# Altium PCB HandHeld_Terminal_V2_Rev2.PcbDoc (continued)
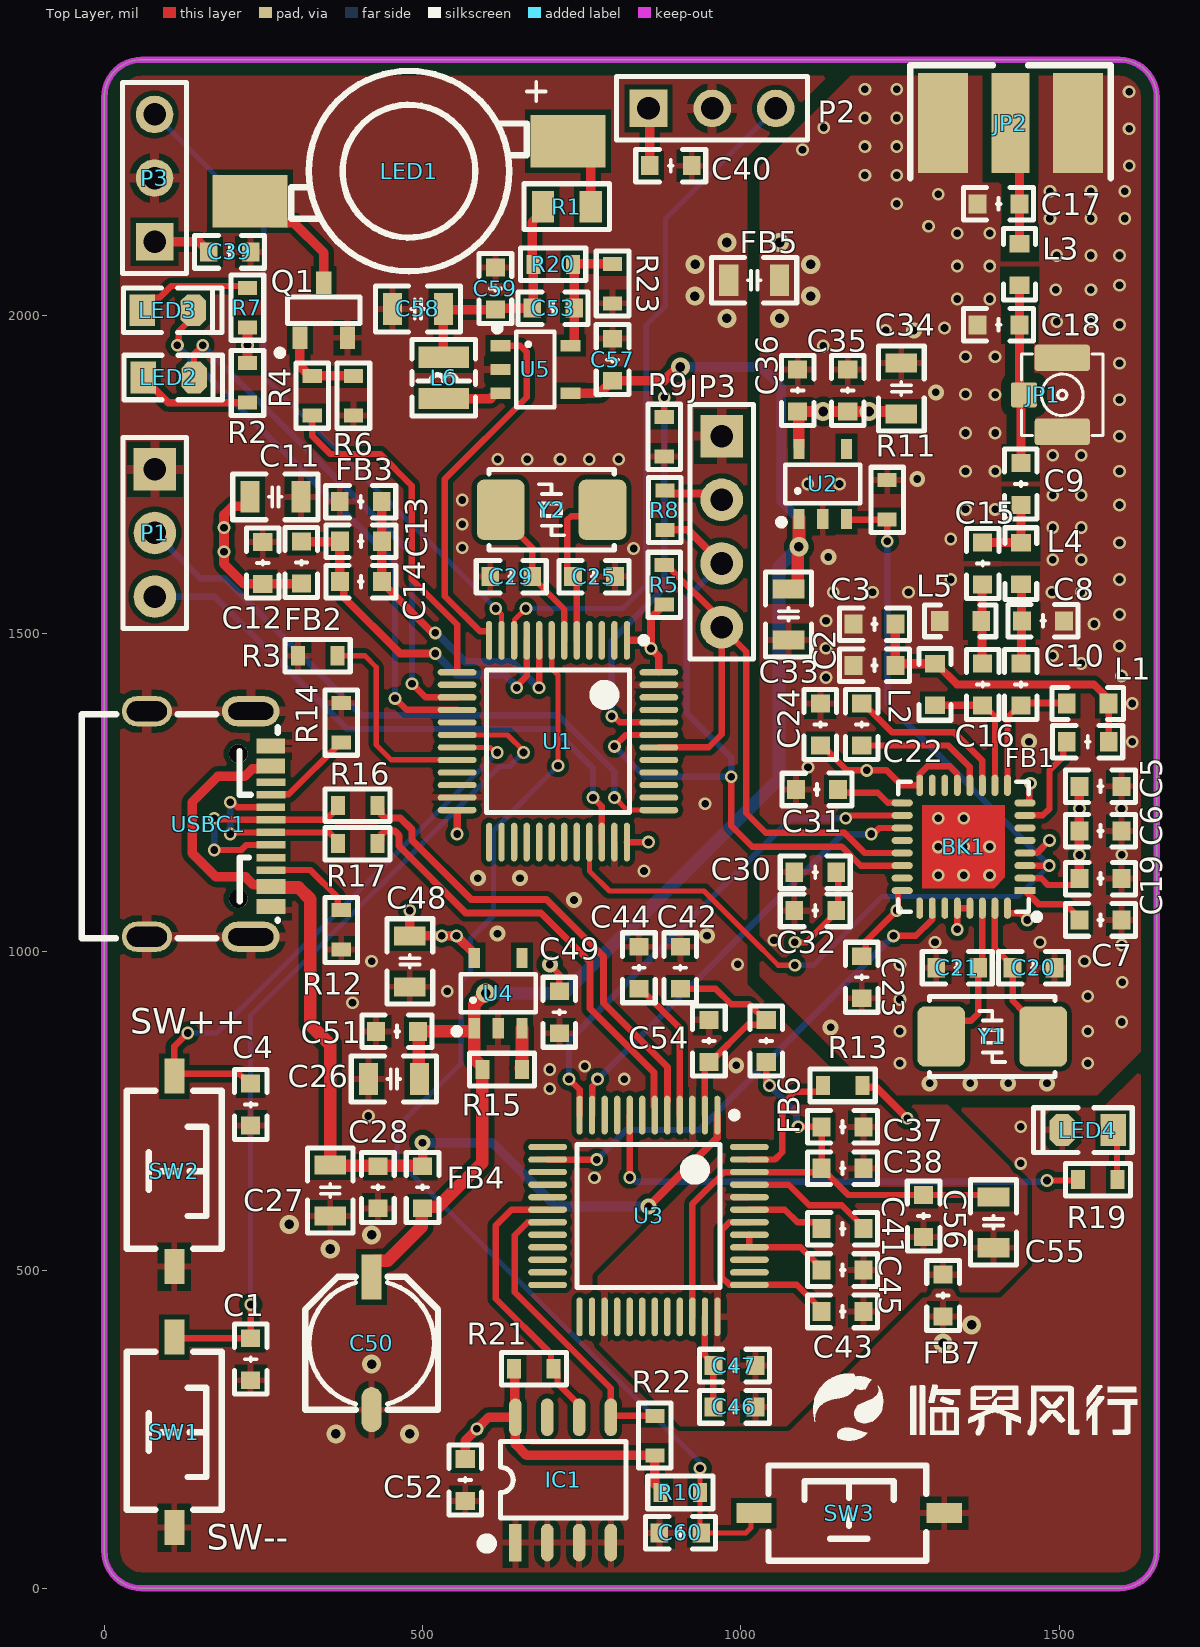
[diagram p0: Top Layer view]
## Footprints (in the part's own frame and the unit in brackets; to place one, negate y for a bottom-side part, rotate by r counter-clockwise, add the part's x,y. Pads: shape width x height; smd on the part's side, far side on the other; paste and mask are expansions set on the pad) (continued)
  oval 0.85x0.275 smd: 9(2.451,-1.75) 10(2.451,-1.25) 11(2.451,-0.75) 12(2.451,-0.25) 13(2.451,0.25) 14(2.451,0.75) 15(2.451,1.25) 16(2.451,1.75) 25(-2.451,1.75) 26(-2.451,1.25) 27(-2.451,0.75) 28(-2.451,0.25) 29(-2.451,-0.25) 30(-2.451,-0.75) 31(-2.451,-1.25) 32(-2.451,-1.75)
  round 0.025 smd: 33(0,0)
  Top Layer region: -1.22,-1.65 -1.651,-1.219 -1.651,1.65 1.65,1.65 1.65,-1.65
  silkscreen extent -2.92,-3.05 2.6,2.6, body extent -2.5,-2.5 2.5,2.5, height 0.93
"R 0603_L" [mil] "1/10W贴片电阻                 淘宝ID:黄晶宝石"
  rect 22x30 smd: 1(-31,0) 2(31,0)
  silkscreen extent -51,-26 51,26, body extent -31,-16 32,16, height 16
"R 0805_L" [mil] "1/8W贴片电阻"
  rect 35x50 smd: 1(-37.4,0) 2(37.4,0)
  silkscreen extent -67,-36 67,36, body extent -39,-25 39,25, height 20
SMA-KE [mm] "SMA 偏脚射频天线座     淘宝ID:黄晶宝石"
  rect 1.5x4 smd: 1(0,0)
  rect 2x4 smd: 2(-2.7,0) 2(2.7,0)
  rect 2x4 smd far side: 3(-2.7,0) 3(2.7,0)
  silkscreen extent -4,-2.2 4,2.3, body extent -3.25,-1.3 3.25,12.2, height 3.88
SOP8_L [mm] "5*6*1.8mm（长宽高）封装库来自淘宝卖家 ID：黄晶宝石"
  rect 1.5x0.5 smd: 1(-2.5,1.905)
  oval 1.5x0.5 smd: 2(-2.5,0.635) 3(-2.5,-0.635) 4(-2.5,-1.905) 5(2.5,-1.905) 6(2.5,-0.635) 7(2.5,0.635) 8(2.5,1.905)
  silkscreen extent -2.69,-2.5 1.52,3.2, body extent -3,-2.5 3,2.5, height 1.9
SOT23-5L [mm] "3x1.6x1.1mm(长宽高) 封装库来自淘宝卖家 ID：黄晶宝石"
  rect 0.45x0.8 smd: 1(-0.95,-1.4) 2(0,-1.4) 3(0.95,-1.4) 4(0.95,1.4) 5(-0.95,1.4)
  silkscreen extent -1.78,-1.65 1.5,0.76, body extent -1.5,-1.4 1.5,1.4, height 1.15
SOT-23-3L [mm]
  rect 0.9x0.6 smd: 1(-1,0.95) 2(-1,-0.95) 3(1.2,0)
  silkscreen extent -1.72,-1.45 0.64,1.87, body extent -1.16,-1.5 1.34,1.5, height 1.09
"TSW SMD-3*6*2.5" [mm] "3*6*2.5mm"
  rect 1.4x0.8 smd: 1(-3.8,0) 2(3.8,0)
  silkscreen extent -3.21,-1.9 3.09,1.9, body extent -4,-1.75 4,1.75, height 2.59
USB-C-SMD_TYPE-C-USB-5 [mm]
  oval 1.2x2.3 hole 0.7 slot 1.8 at 90 deg: 0(-4.5,1.675) 0(4.5,1.675)
  oval 1.2x2 hole 0.8 slot 1.6 at 90 deg: 0(-4.5,-2.475) 0(4.5,-2.475)
  rect 0.3x1.15 smd: A1(-3.263,2.473) A4(-2.462,2.471) A5(-1.162,2.475) A6(-0.162,2.475) A7(0.337,2.473) A9(2.638,2.475) A12(3.438,2.475) B1(3.138,2.475) B4(2.337,2.475) B5(1.838,2.475) B6(0.838,2.475) B7(-0.663,2.473) B9(-2.162,2.471) B12(-2.963,2.473)
  rect 0.3x1.148 smd: A8(-1.663,2.475) B8(1.337,2.475)
  round 0.75 hole 0.75 unplated: ""(-2.803,1.175) ""(2.978,1.175)
  silkscreen extent -4.38,-5.08 4.56,2.75, body extent -4.34,-5.14 4.6,2.76, height 3.25

## Part data
BK1: library part BK9530
C1 C2 C3 C4 C5 C6 C7 C8 C9 C10 C11 C12 C13 C14 C15 C16 C17 C18 C19 C20 C21 C22 C23 C24 C25 C26 C27 C28 C29 C30 C31 C32 C33 C34 C35 C36 C37 C38 C39 C40 C41 C42 C43 C44 C45 C46 C47 C48 C49 C51 C52 C53 C54 C55 C56 C57 C58 C59 C60: "Capacitor", LatestRevisionDate=17-Jul-2002, LatestRevisionNote="Re-released for DXP Platform.", PackageDescription="Radial Cap, Thru-Hole; 2 Leads; 0.3 in Pin Spacing", PackageReference=RAD-0.3, Published=8-Jun-2000, Publisher="Altium Limited"
C50: "Polarized Capacitor (Radial)", LatestRevisionDate=17-Jul-2002, LatestRevisionNote="Re-released for DXP Platform.", PackageReference=RB7.6-15, Published=8-Jun-2000, Publisher="Altium Limited"
FB1 FB2 FB3 FB4 FB5 FB6 FB7: "铁氧体磁珠"
IC1: "外置EEPROM", BOM名称=外置EEPROM, 唯一出售店铺网址=https://shop463601444.taobao.com, 版权归属="封装库来自淘宝 ID：黄晶宝石"
JP1 JP2: library part SMA, "SMA-2.4G射频天线接口", BOM名称=SMA-2.4G射频天线接口, 唯一出售店铺网址=https://shop463601444.taobao.com, 版权归属="封装库来自淘宝 ID：黄晶宝石"
JP3: library part "Header 4", "4P接插件", BOM名称=4P接插件, 学习资源=https://shop463601444.taobao.com, 版权归属="封装库来自淘宝 ID：黄晶宝石"
L1 L2 L3 L4 L5: "小功率贴片电感", BOM名称=小功率贴片电感, 封装库来自淘宝卖家 ID：黄晶宝石=其他店铺购入均为盗版，不享受售后技术支持服务，请立即申请退款, 淘宝ID="封装库来自淘宝 ID：黄晶宝石", 联系售后=https://shop463601444.taobao.com
L6: "Magnetic-Core Inductor", LatestRevisionDate=17-Jul-2002, LatestRevisionNote="Re-released for DXP Platform.", PackageDescription="Axial Device, Thru-Hole; 2 Leads; 0.9 in Pin Spacing", PackageReference=AXIAL-0.9, Published=24-Mar-1999, Publisher="Altium Limited"
LED1 LED2 LED3 LED4: library part LED-SMD, "贴片LED", BOM名称=贴片LED, 学习资源=https://shop463601444.taobao.com, 版权归属="封装库来自淘宝 ID：黄晶宝石"
P1 P2 P3: "Header, 3-Pin", LatestRevisionDate=17-Jul-2002, LatestRevisionNote="Re-released for DXP Platform.", Publisher="Altium Limited"
Q1: library part NMOS-2, "N-Channel Power MOSFET", ComponentLink1Description="Manufacturer Link", ComponentLink1URL=http://www.irf.com/, DatasheetVersion=PD-9.814, LatestRevisionDate=17-Jul-2002, LatestRevisionNote="Re-released for DXP Platform.", Note="Pin 2 is electrically connected to pin 4.", PackageDescription="TO, Thru-Hole, Vertical, Heatsink Mounted; 3 In-Line Leads; Pitch 2.54 mm", PackageReference=TO-220AB, PackageVersion=Feb-1997, Published=8-Jun-2000, Publisher="Altium Limited"
SW1 SW2 SW3: library part "TSW 3x6", "3x6轻触开关", BOM名称=3x6轻触开关, 学习资源=https://shop463601444.taobao.com, 版权归属="封装库来自淘宝 ID：黄晶宝石"
U1: library part STM32F103C8T6, "ARM", Package=LQFP-48_7x7x05P, SuppliersPartNumber=C8734, ComponentLink1Description=供应商链接, ComponentLink1URL=http://www.szlcsc.com/product/details_9243.html, Supplier=LC
U2 U4: "LDO"
U3: "USB音频芯片"
U5: "DC-DC, 2.8-5.5V,1A"
USBC1: library part "USB2.0 Type-C 16Pin母座", "USB2.0 Type-C 母座 16Pin", BOM_Manufacturer=LCSC, BOM_Manufacturer Part=-, BOM_Supplier=LCSC, spicePre=U, spiceSymbolName="TYPE-C 3.1 -16P_C168689"
Y1: library part XTAL, "Crystal Oscillator", LatestRevisionDate=17-Jul-2002, LatestRevisionNote="Re-released for DXP Platform.", PackageDescription="Crystal, Thru-Hole; 2 Leads; Body 3.1 x 8.2 mm (Dia.xH)", PackageReference=R38, Published=8-Jun-2000, Publisher="Altium Limited"
Y2: library part "SMD-5032_2P 8MHz 20ppm 20pF", "贴片晶振", Package=SMD-5032_2P, SuppliersPartNumber=C115962, ComponentLink1Description=供应商链接, ComponentLink1URL=http://www.szlcsc.com/product/details_117214.html, Supplier=LC
R1 R2 R3 R4 R5 R6 R7 R8 R9 R10 R11 R12 R13 R14 R15 R16 R17 R19 R20 R21 R22 R23: LatestRevisionDate=17-Jul-2002, LatestRevisionNote="Re-released for DXP Platform.", PackageReference=AXIAL-0.5, Published=8-Jun-2000, Publisher="Altium Limited"

## Via types
v1: diameter 20, hole 12, Top Layer to Bottom Layer, tented both sides, 192 vias
v2: diameter 30, hole 15, Top Layer to Bottom Layer, tented both sides, 21 vias
v3: diameter 25, hole 12, Top Layer to Bottom Layer, tented both sides, 19 vias

## Nets (pads, with @x,y where several pads share a name; then routed paths per layer and width w, separated by ;. In a path a pad name is that pad's centre, name@x,y a point inside that pad or via, vN(x,y) a via of type N, cw(c..) or ccw(c..) an arc to the next point about the centre after c; other vN are vias at no path point)
3V3: C11.2 C12.2 C39.1 C40.1 C48.1 C49.2 C52.1 FB2.1 IC1.8 JP3.2 P2.1 P3.1 R2.2 R5.1 R7.2 R8.1 R10.2 R21.2 R22.2 U1.1 U1.24 U1.36 U1.48 U4.5 | length 1571.7
  Top Layer w10: v3(700,980) 715,965 C49.2 ; U1.36 v1(855,1172.39)
  Top Layer w12: C12.2 C12.2@249.24,1578.25 ; FB2.1@309.47,1578.25 FB2.1 ; v1(554.32,1185) 554.32,1217.66 ; U1.1@822.13,1489.32 846.12,1489.32 v1(858.9,1476.54) ; U1.48@871.25,1440.2 871.25,1464.19 v1(858.9,1476.54) ; R5.1 875.8,1545.54 870.8,1540.54 870.8,1536.54 858.9,1524.64 v1(858.9,1476.54) ; R8.1 885.72,1719.96 960.04,1719.96 JP3.2
  Top Layer w15: P3.1 148.98,2115.56 164.01,2100.53 C39.1 ; R2.2 R7.2 ; C11.2 228.8,1707.53 221.3,1700.03 201.72,1700.03 188.1,1686.42 188.1,1609.42 219.51,1578.02 C12.2 ; C12.2@249.24,1578.25 FB2.1@309.47,1578.25 ; v1(480,1065) C48.1 v1(530,1025) v1(553.39,1025) 581.38,997.01 U4.5 ; C52.1 567.13,232.13 v1(585.43,250.43) 603.74,268.74 IC1.8 ; R21.2 645.01,343.99 645.01,269.64 IC1.8 ; P2.1 857,2323 C40.1 ; R10.2 874,154.63 865,163.63 R22.2 663.61,209 645.91,226.71 IC1.8
  other v1: 188.1,1628.68 188.1,1666.48 225.01,1952.83
+3.3V: C42.2 C54.2 FB6.1 U3.2 | length 358.8
  Top Layer w10: C42.2 960.34,942 984.84,917.5 1013,917.5 1037.5,893 FB6.1 1032.5,885.5 1011,885.5 952.5,827 C54.2 943.58,820.58 U3.2
+3.3VA: C37.2 C38.2 C55.2 C56.2 FB6.2 U3.34 U3.46 | length 917.4
  Top Layer w10: U3.34 923.9,603.9 973.82,653.82 1013.39,653.82 U3.46 1120.9,653.9 C38.2 ; FB6.2 1040,795 v1(1045,790) ; v1(1090,725) C37.2 C38.2 ; C55.2@1397.16,618 C56.2 1169,618 1137,650 1134.5,650 1127,657.5 C38.2
  Bottom Layer w10: v1(1045,790) 1088.09,746.91 1088.09,726.91 v1(1090,725)
CE: BK1.3 R11.2 U1.33 U2.3 | length 1645.3
  Top Layer w8: U1.33 762.08,1172.31 762.08,1127.01 793.72,1095.37 942.35,1095.37 1013.02,1024.7 1058.9,978.82 v1(1085,978.82)
  Top Layer w10: U2.3 1167.06,1679 R11.2 v1(1230,1645) ; BK1.3 v1(1484.54,1135.47)
  Bottom Layer w8: v1(1085,978.82) 1114.09,978.82 1222.27,1087 1436.07,1087 v1(1484.54,1135.47)
  Bottom Layer w10: v1(1230,1645) 1230,1390 v1(1484.54,1135.47)
D+: R16.1 USBC1.A6 USBC1.B6 | length 349.1
  Top Layer w10: v1(172.87,1160) 215.4,1160 223.21,1167.81 USBC1.B6 ; v1(172.87,1210) 174.79,1208.09 181.86,1208.09 181.94,1208 207.4,1208 208.22,1207.18 USBC1.A6 348.06,1207.18 366.87,1226 R16.1
  Bottom Layer w10: v1(172.87,1160) v1(172.87,1210)
D-: R17.2 USBC1.A7 USBC1.B7 | length 296.8
  Top Layer w10: v1(197.87,1185) 200.58,1185 203.08,1187.5 USBC1.A7 353.37,1187.5 366.87,1174 R17.2 ; v1(197.87,1235) 200.58,1235 208.71,1226.87 USBC1.B7
  Bottom Layer w10: v1(197.87,1185) v1(197.87,1235)
GND: C1.1 C4.1 C11.1 C12.1 C25.1 C26.1 C27.1 C28.1 C29.1 C39.2 C40.2 C42.1 C44.1 C48.2 C49.1 C50.2 C51.2 C52.2 C54.1 C57.2 C58.2 C59.2 C60.1 FB3.1 FB5.1 FB7.1 IC1.1 IC1.2 IC1.3 IC1.4 JP3.1 LED4.2 P1.1 P2.2 P3.2 Q1.2 R3.2 R6.1 R9.2 R12.2 R13.2 R14.1 R23.1 SW1.2 SW2.2 SW3.2 U1.23 U1.35 U1.47 U3.3 U4.2 U5.2 USBC1.0 USBC1.A1 USBC1.A12 USBC1.B1 USBC1.B12 | length 91.7
  Top Layer w12: R13.2 1193.97,787.03 1212.97,787.03 v1(1261.41,738.59)
  other v1: 770,645 1440,667.59 1440,725 415,742 700,784.74 817,800 700,815 755,820 390,920 538.88,937.95 994.99,980.2 420,985 847.87,1127.01 943.89,1232.43 831.56,1633.66 562.58,1634.85 562.58,1671.67 562.58,1709.81 618.26,1773.92 664.4,1773.92 716.14,1773.92 761.91,1773.92 808.34,1773.92
  other v2: 363.84,242.62 479.65,242.62 420,352.13 1317.75,385 1362.75,413.93 355,533.12 420,555.22 290.58,571.73 978.28,1995 928,2030 928.22,2079.99 978.28,2114.35
  other v3: 992.8,821.58 947,1025.2 617.71,1028.58 738,1081.42 586.87,1115.73 653.18,1115.73
GNDA: C37.1 C38.1 C43.1 C45.1 C46.1 C47.1 C55.1 C56.1 FB7.2 U3.27 U3.36 U3.44
GNDRF: BK1.33 C2.1 C3.1 C5.1 C6.1 C7.1 C8.1 C17.2 C18.2 C19.2 C20.2 C21.2 C23.1 C24.2 C30.1 C31.1 C32.1 C33.2 C34.2 C35.2 C36.1 FB5.2 JP1.2 JP1.3 JP2.2 JP2.3 L5.1 R11.1 U2.2
  other v1: 1250,825 1545,825 1250,875 1545,875 1598.5,889.76 1250,925 1545,930 1599.37,952 1250,980 1540,985 1598.5,1010.77 1305,1015 1470,1015 1052.13,1018.12 1309.99,1120.21 1350,1120.21 1390.88,1120.21 1598.5,1152.5 1309.99,1164.8 1350,1165 1390.88,1165 1310.33,1210 1350.35,1210 1598,1225 1105.49,1290 1615,1330.16 1615,1390 1133.78,1430.9 1598,1433.25 1535,1453 1490,1465 1133.78,1476.82 1595,1480.5 1555,1515 1133.78,1520 1595,1530 1145.15,1565 1207,1565 1263.5,1565 1488.8,1565 1535,1565 1330,1585 1595,1585 1490,1615.75 1535,1615.75 1595,1642.84 1330,1648.58 1490,1666.5 1535,1666.5 1353,1695 1399.5,1695 1595,1702 1490,1717.25 1535,1717.25 1105,1735 1155,1735 1353,1755 1399.5,1755 1595,1755 1490,1780 1535,1780 1595,1810 1353,1815 1399.5,1815 1595,1867.23 1399.5,1875.26 1353,1876.08 1595,1924.45 1353,1935 1399.5,1935 1129.42,1951.89 1227.46,1976 1320,1980 1595,1985 1496.29,1990 1550,1990 1340,2025.54 1391.18,2025.54 1495,2040 1550,2040 1595,2047.32 1340,2077.27 1391.18,2077.27 1496.29,2094 1550,2094 1595,2094 1340,2129 1391.18,2129 1295,2140 1485.63,2152 1550,2152 1603.27,2152 1245,2175 1310,2190 1485.63,2195 1550,2195 1603.27,2195 1195,2219.98 1245,2220.01 1610.24,2235 1096.93,2260 1195,2264.99 1245,2265.01 1610,2293.14 1130.41,2294.97 1195,2309.99 1245,2310.02 1610,2351.28 1195,2355 1245,2355.03
  other v2: 1061,1995 1109.92,2030 1109.92,2080 1061,2114.35
  other v3: 1296.57,793.25 1360.5,793.25 1420,793.25 1481.13,793.25 1141.18,881.24 1452.7,1330.16 1137.64,1620.29 1277.15,1742.87 1306.35,1878.96 1271.83,1976
IR1.8V: C53.1 C58.1 C59.1 L6.2 R1.2 R20.2 | length 386.5
  Top Layer w15: L6.2 532.83,1934.64 C58.1 533.74,2008.99 C59.1 616.89,2011.3 673.35,2011.3 675.65,2013.6 673.96,2015.3 673.96,2072.39 672.26,2074.09 672.26,2101.01 672.26,2146.11 689.26,2163.1 R1.2
IR_POWER: U1.12 U5.1 | length 588.6
  Top Layer w10: U1.12 604.52,1503.38 604.44,1503.46 590.38,1503.46 535.13,1558.7 535.13,1742.72 663.52,1871.11 663.52,1942.3 653.53,1952.29 U5.1
LED1: LED2.2 U1.15 | length 803.9
  Top Layer w10: LED2.2 141,1938.93 v1(154.9,1952.83) ; v1(483.4,1421.02) 504.66,1399.75 U1.15
  Bottom Layer w10: v1(154.9,1952.83) 483.4,1624.34 v1(483.4,1421.02)
LED3: LED3.2 U1.16 | length 866.8
  Top Layer w10: v1(114.9,1952.83) 116.82,1954.74 116.82,1974.83 139.9,1997.92 LED3.2 ; v1(456.79,1398.06) 474.79,1380.06 U1.16
  Bottom Layer w10: v1(114.9,1952.83) 456.79,1610.94 v1(456.79,1398.06)
NetBK1_1: BK1.1 C7.2 | length 106.1
  Top Layer w10: BK1.1 1467.58,1075 1509.5,1075 1532,1052.5 C7.2
NetBK1_7: BK1.7 FB1.2 | length 159.1
  Top Layer w10: BK1.7 1446.66,1214.38 1474.38,1214.38 1485,1225 1485,1285 1506.64,1306.64 1506.64,1324.64 FB1.2
NetBK1_9: BK1.9 C10.1 L1.1 | length 211.3
  Top Layer w9: BK1.9 1418.91,1368.41 C10.1@1437.5,1387
  Top Layer w11: C10.1@1437.5,1387 C10.1 1444,1391 1508.32,1391 L1.1@1512.32,1395
NetBK1_10: BK1.10 C16.1 L2.1 | length 210.1
  Top Layer w9: C16.1@1382.5,1387 1399.23,1370.28 BK1.10
  Top Layer w11: L2.1 L2.1@1305.16,1387.16 ; C16.1@1379.84,1387.16 C16.1 C16.1@1382.5,1387
  Top Layer w12: L2.1@1305.16,1387.16 C16.1@1379.84,1387.16
NetBK1_11: BK1.11 C22.1 | length 265.6
  Top Layer w10: C22.1 1192.5,1390.13 1237.63,1345 1335,1345 1379.38,1300.62 1379.38,1261.66 BK1.11
NetBK1_12: BK1.12 C22.2 | length 212.6
  Top Layer w10: C22.2 1325.87,1324.13 1359.69,1290.31 1359.69,1261.66 BK1.12
NetBK1_17: BK1.17 C31.2 | length 97.2
  Top Layer w10: C31.2@1163,1250 1215,1250 1231.09,1233.91 BK1.17
NetBK1_30: BK1.30 C21.1 Y1.2 | length 237.7
  Top Layer w10: Y1.2@1315,865 1341.64,891.64 1361.64,891.64 1373,903 C21.1 ; Y1.2@1339.79,876.27 Y1.2@1341.25,876.94 ; C21.1@1375,980 1379.38,984.38 1379.38,1068.34 BK1.30
NetBK1_31: BK1.31 C20.1 Y1.1 | length 174.6
  Top Layer w10: BK1.31 1399.23,1005.28 1420,984.5 C20.1@1420,980 ; C20.1 1427,923 Y1.1@1445,905
NetC1_2: C1.2 SW1.1 U1.18 | length 1346.4
  Top Layer w8: U1.18 633.68,1340.69 658.53,1315.84 v1(658.53,1313.1)
  Top Layer w10: SW1.1@110,398.54 115.54,393 C1.2 v1(230,445.9)
  Bottom Layer w8: v1(230,445.9) 230,900.34 620.76,1291.1 636.53,1291.1 v1(658.53,1313.1)
NetC2_2: C2.2 C3.2 FB1.1 L1.2 L2.2 | length 490.8
  Top Layer w10: C2.2 C2.2@1245.68,1452.68 ; L2.2 L2.2@1306.97,1452.68 ; L1.2@1577.84,1396.81 1577.84,1330.16 FB1.1
  Top Layer w12: L2.2@1306.97,1452.68 1339.65,1420 1554.65,1420 L1.2@1577.84,1396.81
  Top Layer w15: C2.2 C3.2 ; C2.2@1245.68,1452.68 L2.2
NetC4_2: C4.2 SW2.1 U1.19 | length 938.4
  Top Layer w8: U1.19 606.33,1321.01 614.24,1313.1 v1(617.49,1313.1)
  Top Layer w10: SW2.1 SW2.1@110,808.54 ; v1(131,872.35) 110,851.35 SW2.1@110,808.54 ; C4.2 227.5,793 211.96,808.54 SW2.1@110,808.54
  Bottom Layer w8: v1(131,872.35) 176.73,872.35 v1(617.49,1313.1)
NetC8_2: C8.2 C10.2 L4.2 | length 126
  Top Layer w11: C10.2 C10.2@1441,1454 ; L4.2 L4.2@1441,1576.32 ; C8.2@1441,1519 C8.2 C8.2@1441,1521
  Top Layer w14: C10.2@1441,1454 C8.2@1441,1519 ; C8.2@1441,1521 L4.2@1441,1576.32
NetC9_1: C9.1 C15.2 L4.1 | length 119.5
  Top Layer w11: C15.2 C15.2@1380.16,1642.84 ; L4.1@1439.84,1642.84 L4.1
  Top Layer w14: C15.2@1380.16,1642.84 L4.1@1439.84,1642.84 ; L4.1 C9.1
NetC9_2: C9.2 C18.1 JP1.1 L3.2 | length 294.2
  Top Layer w11: JP1.1@1440,1870.04 JP1.1 ; JP1.1@1453,1886.96 JP1.1@1460,1879.96
  Top Layer w14: JP1.1@1438,1881.96 L3.2 ; C9.2 JP1.1@1440,1870.04
  Top Layer w15: JP1.1@1438,1881.96 JP1.1
NetC15_1: C15.1 C16.2 L5.2 | length 125.9
  Top Layer w11: C16.2@1378.84,1454.16 C16.2 ; L5.2@1378.84,1518.84 L5.2 L5.2@1378.84,1521.16 ; C15.1@1378.84,1575.84 C15.1
  Top Layer w14: C16.2@1378.84,1454.16 L5.2@1378.84,1518.84 ; L5.2@1378.84,1521.16 C15.1@1378.84,1575.84
NetC17_1: C17.1 JP2.1 L3.1 | length 193.5
  Top Layer w14: L3.1@1438,2114.68 JP2.1@1438,2294
  Top Layer w15: JP2.1@1430,2302 JP2.1@1438,2294 ; L3.1@1438,2114.68 L3.1@1440,2112.68
NetC25_2: C25.2 U1.5 Y2.2 | length 257.1
  Top Layer w10: U1.5 742.23,1489.39 742.23,1583.62 727.55,1598.31 727.55,1678.61 733.41,1684.47 772.71,1684.47 Y2.2
NetC29_2: C29.2 U1.6 Y2.1 | length 246.5
  Top Layer w10: Y2.1 622.71,1684.73 672.39,1635.05 C29.2 672.39,1588.47 722.63,1538.23 U1.6
NetC41_1: C41.1 U3.43 | length 127.4
  Top Layer w10: U3.43 1069.32,594.84 1089.16,575 1119.5,575 1127,567.5 C41.1
NetC41_2: C41.2 U3.45 | length 209.7
  Top Layer w10: U3.45 1075.4,634.21 1107.62,602 1158.5,602 1193,567.5 C41.2
NetC43_2: C43.2 U3.37 U3.42 | length 303.4
  Top Layer w10: U3.42 1013.39,575.08 982.14,575.08 969.95,562.9 969.95,488.99 982.14,476.81 1013.39,476.81 U3.37 1087.77,476.73 1127,437.5 C43.2
NetC44_2: C44.2 U3.4 | length 226.6
  Top Layer w10: C44.2 842.5,942 904.21,880.29 U3.4
NetC45_2: C45.2 U3.40 U3.41 | length 149.5
  Top Layer w10: U3.41 U3.40 1033.15,535.79 1093.71,535.79 1127,502.5 C45.2
NetC46_2: C46.2 C47.2 U3.35 | length 147.1
  Top Layer w10: U3.35 943.58,365.92 957,352.5 C47.2 C46.2
NetC53_2: C53.2 R20.1 R23.2 U5.5 | length 188.6
  Top Layer w10: U5.5 733.8,1952.29 735.72,1954.22 736.34,1954.22 U5.5@738.26,1956.15
  Top Layer w15: U5.5@738.26,1956.15 738.26,2013.6 738.26,2074.33 744.76,2080.83 R23.2
NetIC1_5: IC1.5 R22.1 U3.19 | length 478.6
  Top Layer w10: U3.19 696.46,575.08 665.21,575.08 645,554.87 645,465 795.91,314.09 IC1.5 798.17,271 R22.1
NetIC1_6: IC1.6 R21.1 U3.18 | length 447.3
  Top Layer w10: U3.18 696.46,594.76 639.76,594.76 615,570 615,455 701.89,368.11 701.89,349.11 712,339 712,322.33 745.91,288.43 IC1.6
NetL6_1: L6.1 U5.3 | length 92.3
  Top Layer w15: L6.1 606.98,1869.17 615.3,1877.49 U5.3
NetLED1_1: LED1.1 R1.1 | length 118.5
  Top Layer w15: LED1.1 730.22,2273.61 764.06,2239.77 R1.1
NetLED1_2: LED1.2 Q1.3 | length 196.7
  Top Layer w15: LED1.2 262.15,2145.73 297.59,2145.73 344.83,2098.49 Q1.3
NetLED2_1: LED2.1 R2.1 | length 183.3
  Top Layer w12: LED2.1 61,1897.27 75,1883.27 80,1883.27 100.51,1862.77 R2.1
NetLED3_1: LED3.1 R7.1 | length 185
  Top Layer w10: LED3.1 59.9,2012.96 74.9,2027.96 87.35,2027.96 105.35,2045.96 221.95,2045.96 R7.1
NetLED4_1: LED4.1 R19.1 | length 63
  Top Layer w10: R19.1@1591,642 LED4.1@1591,705
NetQ1_1: Q1.1 R4.1 R6.2 | length 135
  Top Layer w15: Q1.1 307.43,1920.06 322.72,1904.77 R4.1 R6.2
NetR3_1: R3.1 U1.20 | length 327.5
  Top Layer w8: R3.1 409.47,1465.07 427.35,1447.19 427.35,1324.96 450.63,1301.68 553.97,1301.68 U1.20
NetR4_2: R4.2 U1.13 | length 543.9
  Top Layer w10: R4.2 326.72,1810.35 354.98,1782.09 433.52,1782.09 483.33,1732.28 483.33,1585.05 554.32,1514.06 U1.13
NetR9_1: R9.1 U1.44 | length 643.9
  Top Layer w10: v1(797.39,1369.93) 800.09,1369.93 809.64,1360.38 U1.44 ; R9.1 v1(879.8,1870.96)
  Bottom Layer w10: v1(797.39,1369.93) 797.39,1489.12 879.8,1571.54 v1(879.8,1870.96)
NetR12_1: R12.1 USBC1.B5 | length 145.1
  Top Layer w10: USBC1.B5 323.67,1128.44 366.57,1085.55 366.57,1071.12 R12.1
NetR13_1: R13.1 U3.47 | length 210
  Top Layer w10: U3.47 1013.54,673.66 1053.66,673.66 1065,685 1065,760 1085,780 1123,780 1129,786 R13.1
NetR14_2: R14.2 USBC1.A5 | length 144.4
  Top Layer w10: USBC1.A5 262.52,1247.34 289.72,1247.34 R14.2@371.83,1329.45
NetR15_1: R15.1 U4.3 | length 67.5
  Top Layer w10: R15.1@649.78,815 649.78,819 R15.1@656.18,825.4
  Top Layer w20: R15.1@656.18,825.4 U4.3
NetR19_2: R19.2 U3.8 | length 805.8
  Top Layer w10: v1(825.47,645.47) U3.8 ; v1(1481.13,640.75) 1525.06,640.75 R19.2@1530.13,635.68
  Bottom Layer w10: v1(825.47,645.47) 828.18,645.47 834.82,638.83 1477.09,638.83 v1@1478.76,637.16
PA13: P1.3 U1.34 | length 921.7
  Top Layer w10: v1(767.89,1242.27) 781.68,1228.47 U1.34
  Bottom Layer w10: P1.3 173.67,1558.02 381.66,1350.03 706.17,1350.03 767.89,1288.32 v1(767.89,1242.27)
PA14: P1.2 U1.37 | length 996.2
  Top Layer w8: v1(801.47,1242.27) 821.15,1222.58 U1.37
  Bottom Layer w10: P1.2 150.62,1586.95 188.97,1586.95 404.06,1371.85 713.13,1371.85 801.47,1283.51 v1(801.47,1242.27)
pcm_lrck: BK1.18 U3.12 | length 794
  Top Layer w10: v1(730,800) 746.73,783.27 U3.12 ; v1(1165,1210) 1167.71,1210 1171.93,1214.22 BK1.18
  Bottom Layer w10: v1(730,800) 730.18,800.18 730.18,860.68 1079.5,1210 v1(1165,1210)
pcm_sck: BK1.19 U3.11 | length 702
  Top Layer w8: v1(1205,1185) v1@1208.25,1185
  Top Layer w10: U3.11 766.5,743.54 766.5,788.79 775,797.29 v1(775,800) ; v1@1208.25,1185 1217.78,1194.53 BK1.19
  Bottom Layer w10: v1(775,800) 1159.82,1184.82 1204.82,1184.82 v1(1205,1185)
pcm_sda: BK1.26 U3.14 | length 778.2
  Top Layer w10: U3.14 v1(773.58,673.58) ; v1(1240,1025) 1274.94,1025 1300.62,1050.67 1300.62,1068.34 BK1.26
  Bottom Layer w10: v1(773.58,673.58) 820,720 935,720 v1(1240,1025)
pwm1: P2.3 U1.10 | length 1098
  Top Layer w8: U1.10 644.24,1489.67 644.24,1521.12 v1(662.39,1539.26) ; P2.3@1053,2323 P2.3
  Bottom Layer w8: v1(662.39,1539.26) 814.63,1539.26 851.51,1576.14 851.51,1984.54 881.53,2014.55 881.53,2151.53 P2.3
pwm2: P3.3 U1.11 | length 1051.7
  Top Layer w8: v1(614.89,1539.26) 624.2,1529.95 U1.11
  Bottom Layer w8: P3.3@79.28,2315.3 250.6,2143.98 250.6,1903.55 v1(614.89,1539.26)
RESET: C60.2 R10.1 SW3.1 U1.7 | length 1815
  Top Layer w8: U1.7 702.94,1444.9 712.79,1435.06 v1(712.79,1292.15) ; v1(936,188.82) R10.1 936,89.18 C60.2 1008,87.18 1015.92,95.1 1015.92,113.65 SW3.1
  Bottom Layer w8: v1(712.79,1292.15) 611.37,1190.73 611.37,1056.89 575.39,1020.9 575.39,968.2 560.88,953.7 560.88,824.88 460,724 460,674 936,198 v1(936,188.82)
RF3V3: BK1.2 BK1.4 BK1.8 BK1.13 BK1.16 BK1.24 BK1.28 BK1.29 BK1.32 C5.2 C6.2 C19.1 C23.2 C24.1 C30.2 C32.2 C34.1 C35.1 C36.2 U2.5 | length 1180.1
  Top Layer w10: v1(1085,1015) 1103,1015 1143,1055 1145.5,1055 1153,1062.5 C30.2@1153,1125 ; C24.1 1127.5,1324.13 1166.63,1285 1228.89,1285 1252.39,1261.5 1280.7,1261.5 BK1.16@1281.08,1261.88 ; C23.2 1196.14,999.14 1196.14,1016.14 v1(1245,1065) 1246.91,1066.91 1246.91,1095.7 1247.3,1096.09 BK1.24 ; BK1.16 1281.24,1261.66 1281.24,1279.33 1293.15,1291.23 1328.09,1291.23 1340,1279.33 1340,1261.66 BK1.13 ; v1(1340.15,1035.16) BK1.28 BK1.29 ; BK1.32 1418.91,1061.05 1419.3,1060.67 1439.33,1060.67 v1(1450,1050) ; BK1.2 1446.66,1115.62 1471.86,1115.62 1482.47,1105 C19.1@1525,1105 ; BK1.4 1446.66,1155.31 1465.31,1155.31 v1(1485,1175) ; BK1.8 1452.7,1233.91 1453.09,1234.3 1453.09,1263.09 v1(1455,1265)
  Top Layer w15: C36.2@1089.27,1848.85 C36.2 ; C36.2@1089.48,1847.07 1089.38,1846.96 C36.2@1089.98,1846.36 ; U2.5 1091.38,1793.21 U2.5@1092.74,1794.57 ; v1@1530.96,1154.04 1530.96,1152.5 1532,1151.46 C19.1@1532,1120 ; v1@1532,1158.35 C5.2@1532,1265
  Top Layer w18: C36.2@1090.89,1848.85 v2(1129.42,1848.85) v2(1201.43,1848.85) C34.1@1234.89,1848.85 ; U2.5@1091.38,1793.21 C36.2@1091.38,1848.15
  other v1: 1532,1152 1532,1225 1197.87,1285
SCK: BK1.21 JP3.4 R5.2 U1.42 | length 991.9
  Top Layer w10: U1.42 871.33,1321.09 949.38,1321.09 970,1341.7 JP3.4 ; R5.2 883.8,1607.54 970,1521.34 JP3.4 ; BK1.21 1194.85,1155.16 1163,1187 1039.42,1187 1008.5,1217.92 1008.5,1471.5 JP3.4
SDA: BK1.22 JP3.3 R8.2 U1.43 | length 1149.9
  Top Layer w10: v1(801.47,1322.69) 819.47,1340.69 U1.43 ; v1(985,1275) 985,1198 1018,1165 1158.88,1165 1188.42,1135.47 BK1.22
  Top Layer w12: R8.2 917.04,1662.96 JP3.3
  Bottom Layer w10: v1(801.47,1322.69) 849.16,1275 v1(985,1275) 985,1305 915,1375 915,1555 JP3.3
UD_N: R17.1 U3.6 | length 711.3
  Top Layer w11: R17.1 434.37,1175.5 434.37,1183.06 440.81,1189.5 456.37,1189.5 462.81,1183.06 462.81,1165.94 567.83,1060.92 686.23,1060.92 763.17,983.98 763.17,910.86 863.58,810.45 863.58,756.87 U3.6@864.26,756.87
UD_P: R16.2 U3.5 | length 736.8
  Top Layer w11: R16.2 434.37,1224.5 434.37,1216.94 440.82,1210.5 465.07,1210.5 483.81,1191.75 483.81,1174.64 576.53,1081.92 694.93,1081.92 784.17,992.68 784.17,919.56 884.58,819.15 U3.5@884.58,765.57
USB_5V: C26.2 C33.1 C50.1 C51.1 C57.1 FB4.1 R15.2 U2.1 U4.1 U5.4 | length 2443.8
  Top Layer w15: U5.4 778.17,1877.49 793.54,1892.86 793.54,1893.23 797.54,1897.23 879.62,1897.23 901.16,1918.77 v2(905.22,1918.77)
  Top Layer w20: C50.1 420,509.02 425.75,514.76 445.43,514.76 498.87,568.2 498.87,595.87 502.5,599.5 524.5,599.5 594,669 R15.2 594,819 581.38,831.62 U4.1 581.38,917.28 v2(599.09,935) ; C26.2@494,800 494,874 C51.1 U4.1@580.24,875 ; C33.1 1084.46,1570 1089.46,1575 1089.46,1634.46 v2(1091.38,1636.38) U2.1 U2.1@1091.38,1682.43
  Bottom Layer w15: v2(905.22,1918.77) 1031.88,1918.77 1063.78,1886.87 1063.78,1707.48 1091.38,1679.88 v2(1091.38,1636.38)
  Bottom Layer w20: v2(599.09,935) 723.04,935 1060,1271.96 1060,1605 v2(1091.38,1636.38)
VBUS: C27.2 C28.2 FB4.2 U3.1 USBC1.A4 USBC1.A9 USBC1.B4 USBC1.B9 | length 1603
  Top Layer w10: U3.1@963.19,743.39 U3.1
  Top Layer w12: v3(855,599.88) 963.19,708.07 U3.1@963.19,743.39
  Top Layer w15: USBC1.B9@244.26,1291.38 240.52,1287.64 232.71,1287.64 220.82,1275.76 178.63,1275.76 137.87,1235 137.87,1155 175.31,1117.57 222.14,1117.57 234.71,1105 USBC1.B4@248,1105 ; C27.2@355,660 C27.2@356.5,661.5 ; C27.2 C27.2@356,664 ; FB4.2@499,664 FB4.2 v3(500,700)
  Top Layer w20: USBC1.A9@269.33,1101.17 305.11,1101.17 323.67,1082.6 323.67,885.32 355,854 C27.2 ; C27.2@356,664 FB4.2@499,664
  Bottom Layer w15: v3(500,700) 609.75,700 709.87,599.88 v3(855,599.88)
VDDA: C13.2 C14.2 FB2.2 U1.9 | length 564.9
  Top Layer w10: C13.2@369.62,1644.48 C13.2 ; v1(648.01,1414.93) 648.01,1417.64 663.57,1433.2 U1.9
  Top Layer w12: C14.2 376.21,1575.45 376.21,1557.12 464.68,1468.65 v1(519.87,1468.65)
  Top Layer w15: FB2.2 C13.2@369.62,1644.48 ; C14.2@370.15,1580.51 C13.2
  Bottom Layer w12: v1(519.87,1468.65) 552.92,1435.6 629.51,1435.6 648.01,1417.1 v1(648.01,1414.93)
VSSA: C13.1 C14.1 FB3.2 U1.8 | length 512.5
  Top Layer w10: FB3.2 FB3.2@436.06,1707.12 ; C14.1 C14.1 ; v1(682.9,1414.93) 683.18,1415.21 683.18,1489.24 U1.8
  Top Layer w12: C14.1@436.15,1580.51 v1@514.72,1501.94
  Top Layer w15: C14.1 FB3.2@436.06,1707.12 ; C14.1@436.15,1580.51 C14.1 ; v1@518.92,1501.94 v1(519.87,1500.98)
  Bottom Layer w12: v1(519.87,1500.98) 521.48,1500.98 566.86,1455.6 641.29,1455.6 681.95,1414.93 v1(682.9,1414.93)
pads on no net: BK1.5 BK1.6 BK1.14 BK1.15 BK1.20 BK1.23 BK1.25 BK1.27 IC1.7 U1.2 U1.3 U1.4 U1.14 U1.17 U1.21 U1.22 U1.25 U1.26 U1.27 U1.28 U1.29 U1.30 U1.31 U1.32 U1.38 U1.39 U1.40 U1.41 U1.45 U1.46 U2.4 U3.7 U3.9 U3.10 U3.13 U3.15 U3.16 U3.17 U3.20 U3.21 U3.22 U3.23 U3.24 U3.25 U3.26 U3.28 U3.29 U3.30 U3.31 U3.32 U3.33 U3.38 U3.39 U3.48 U4.4 USBC1. USBC1.A8 USBC1.B8

## Polygon pours and split planes (outlines as drawn)
GND on Bottom Layer "NONET_L02_P-001" (solid, pour order 5): 0,2400 1163.74,2400 1011.89,2248.15 1011.87,2248.13 ccw(c1019.99,2240.01) 1008.5,2240 1008.5,955 ccw(c1020,955) 1011.87,946.87 1011.89,946.85 1203.74,755 1569.23,755 1650,835.77 1650,0 0,0
GNDRF on Bottom Layer "NONET_L02_P-001" (solid, pour order 6): 1031.5,959.76 1031.5,2235.24 1184.76,2388.5 1603.27,2388.5 1643.5,2348.27 1643.5,858.6 1559.9,775 1216.26,775
GND on Top Layer "NONET_L02_P-001" (solid, pour order 7): 0.8,2401.6 1162.46,2401.6 1009.86,2249 1009.86,948.87 1203.73,755 1568.39,755 1650.8,835.9 1650.8,1.6 0.8,1.6
GNDRF on Top Layer "NONET_L02_P-001" (solid, pour order 8): 1030,961.26 1030,2233.74 1184.76,2388.5 1610.24,2388.5 1643.5,2355.24 1643.5,858.6 1559.9,775 1216.26,775
GNDA on Top Layer "NONET_L02_P-001" (solid, pour order 4): 1282.41,465 1072.41,255 905,255 775,385 775,490 1045,760 1325,760 1450,635 1450,510 1405,465
3V3 on PWR_03 (split plane): 59.06,2381.48 1147.21,2381.48 1012.87,2247.13 1011.27,2245.04 1010.26,2242.61 1009.91,2240 1009.91,955 1010.26,952.39 1011.27,949.96 1012.87,947.87 1203.46,757.27 1205.55,755.67 1206.26,755.38 1207.98,754.66 1210.59,754.32 1563.68,754.32 1566.29,754.66 1568.72,755.67 1570.81,757.27 1633.45,819.91 1633.45,59.06 1633.49,58.57 1633.19,53.96 1632.2,48.95 1630.56,44.12 1628.3,39.54 1625.46,35.29 1622.09,31.45 1618.25,28.08 1614.01,25.25 1609.43,22.99 1604.59,21.35 1599.58,20.35 1594.98,20.05 1594.49,20.1 59.06,20.1 58.56,20.05 53.96,20.35 48.95,21.35 44.12,22.99 39.54,25.25 35.29,28.08 31.45,31.45 28.08,35.29 25.25,39.54 22.99,44.12 21.35,48.95 20.35,53.96 20.05,58.57 20.1,59.06 20.1,2342.52 20.05,2343.01 20.35,2347.62 21.35,2352.62 22.99,2357.46 25.25,2362.04 28.08,2366.29 31.45,2370.12 35.29,2373.49 39.54,2376.33 44.12,2378.59 48.95,2380.23 53.96,2381.22 58.56,2381.53
RF3V3 on PWR_03 (split plane): 1599.58,2381.22 1604.59,2380.23 1609.43,2378.59 1614.01,2376.33 1618.25,2373.49 1622.09,2370.12 1625.46,2366.29 1628.3,2362.04 1630.56,2357.46 1632.2,2352.62 1633.19,2347.62 1633.49,2343.01 1633.45,2342.52 1633.45,848.44 1559.5,774.49 1214.77,774.49 1030.09,959.18 1030.09,2235.82 1175.74,2381.48 1594.49,2381.48 1594.98,2381.53
GNDRF on GND_02 (split plane): 1599.58,2381.22 1604.59,2380.23 1609.43,2378.59 1614.01,2376.33 1618.25,2373.49 1622.09,2370.12 1625.46,2366.29 1628.3,2362.04 1630.56,2357.46 1632.2,2352.62 1633.19,2347.62 1633.49,2343.01 1633.45,2342.52 1633.45,848.44 1559.5,774.49 1214.77,774.49 1030.09,959.18 1030.09,2235.82 1175.74,2381.48 1594.49,2381.48 1594.98,2381.53
GND on GND_02 (split plane): 59.06,2381.48 1147.21,2381.48 1012.87,2247.13 1011.26,2245.04 1010.26,2242.61 1009.91,2240 1009.91,955 1010.26,952.39 1011.27,949.96 1012.87,947.87 1203.46,757.27 1205.55,755.67 1206.26,755.38 1207.98,754.66 1210.59,754.32 1563.68,754.32 1566.29,754.66 1568.72,755.67 1570.81,757.27 1633.45,819.91 1633.45,59.06 1633.49,58.57 1633.19,53.96 1632.2,48.95 1630.56,44.12 1628.3,39.54 1625.46,35.29 1622.09,31.45 1618.25,28.08 1614.01,25.25 1609.43,22.99 1604.59,21.35 1599.58,20.35 1594.98,20.05 1594.49,20.1 59.06,20.1 58.56,20.05 53.96,20.35 48.95,21.35 44.12,22.99 39.54,25.25 35.29,28.08 31.45,31.45 28.08,35.29 25.25,39.54 22.99,44.12 21.35,48.95 20.35,53.96 20.05,58.57 20.1,59.06 20.1,2342.52 20.05,2343.01 20.35,2347.62 21.35,2352.62 22.99,2357.46 25.25,2362.04 28.08,2366.29 31.45,2370.12 35.29,2373.49 39.54,2376.33 44.12,2378.59 48.95,2380.23 53.96,2381.22 58.56,2381.53

## Keep-outs
Keep-Out Layer:
  the board outline again, w10

## Other copper
GND_02 (plane layer: these items are gaps in the copper):
  region: 1268.82,923 1520.88,923 1520.88,811.38 1268.82,811.38
  region: 585.29,1750.71 820.21,1750.71 820.21,1639.47 585.13,1639.47
  region: 1394.47,2377.49 1394.47,2220.01 1453.53,2220.01 1453.53,2377.49
  region: 1424.25,1656.46 1455.75,1656.46 1455.75,1628.9 1424.25,1628.9
  region: 1365,1657 1395,1657 1395,1629 1365,1629
  region: 1422.25,2126.46 1453.75,2126.46 1453.75,2098.9 1422.25,2098.9
  region: 1424,2000 1452,2000 1452,1970 1424,1970
  region: 1363.9,1535.75 1391.46,1535.75 1391.46,1504.25 1363.9,1504.25
  region: 1425,1399.5 1455,1399.5 1455,1374.5 1425,1374.5
  region: 1365,1467 1395,1467 1395,1439 1365,1439
  region: 1428,1535 1456,1535 1456,1505 1428,1505
  region: 1365,1591 1395,1591 1395,1563 1365,1563
  region: 1424.25,1591.1 1455.75,1591.1 1455.75,1563.54 1424.25,1563.54
  region: 1425,1467 1455,1467 1455,1439 1425,1439
  region: 1365,1399.5 1395,1399.5 1395,1374.5 1365,1374.5
  region: 1425,1716 1455,1716 1455,1688 1425,1688
  region: 1425,1782 1455,1782 1455,1754 1425,1754
  region: 1424.29,1894.69 1465.63,1894.69 1465.63,1855.31 1424.29,1855.31
  region: 1422.25,2061.1 1453.75,2061.1 1453.75,2033.54 1422.25,2033.54
  region: 1424,2190 1452,2190 1452,2160 1424,2160
  lines w15: 1615,2400 1655,2360 1655,855.73
  lines w20: 1615,2400 1530,2400 1180,2400 1020,2240 1020,955 1210.59,764.41 1563.68,764.41 1655,855.73
PWR_03 (plane layer: these items are gaps in the copper):
  lines w15: 1615,2400 1650,2365
  lines w20: 1615,2400 1180,2400 1020,2240 1020,955 1210.59,764.41 1563.68,764.41 1650,850.73 1650,2365

## Silkscreen, mask and mechanical layers (free items; w line width, h text height)
Top Overlay:
  drawing of 18 lines, arcs and shapes, not listed
  text "SW++" at 41,871 h40
  text "SW--" at 161,61 h40
Bottom Overlay:
  text "HT 230715" at 1548.09,58.49 h40
Mechanical 1:
  the board outline again, w10

## Text inside footprints (layer, text, board x,y; h text height)
Q1: Mechanical 1 "U1" at 361.14,2018.19 h23.62 r180